# Altium PCB Holberton.PcbDoc (part 2 of 6) (continued)
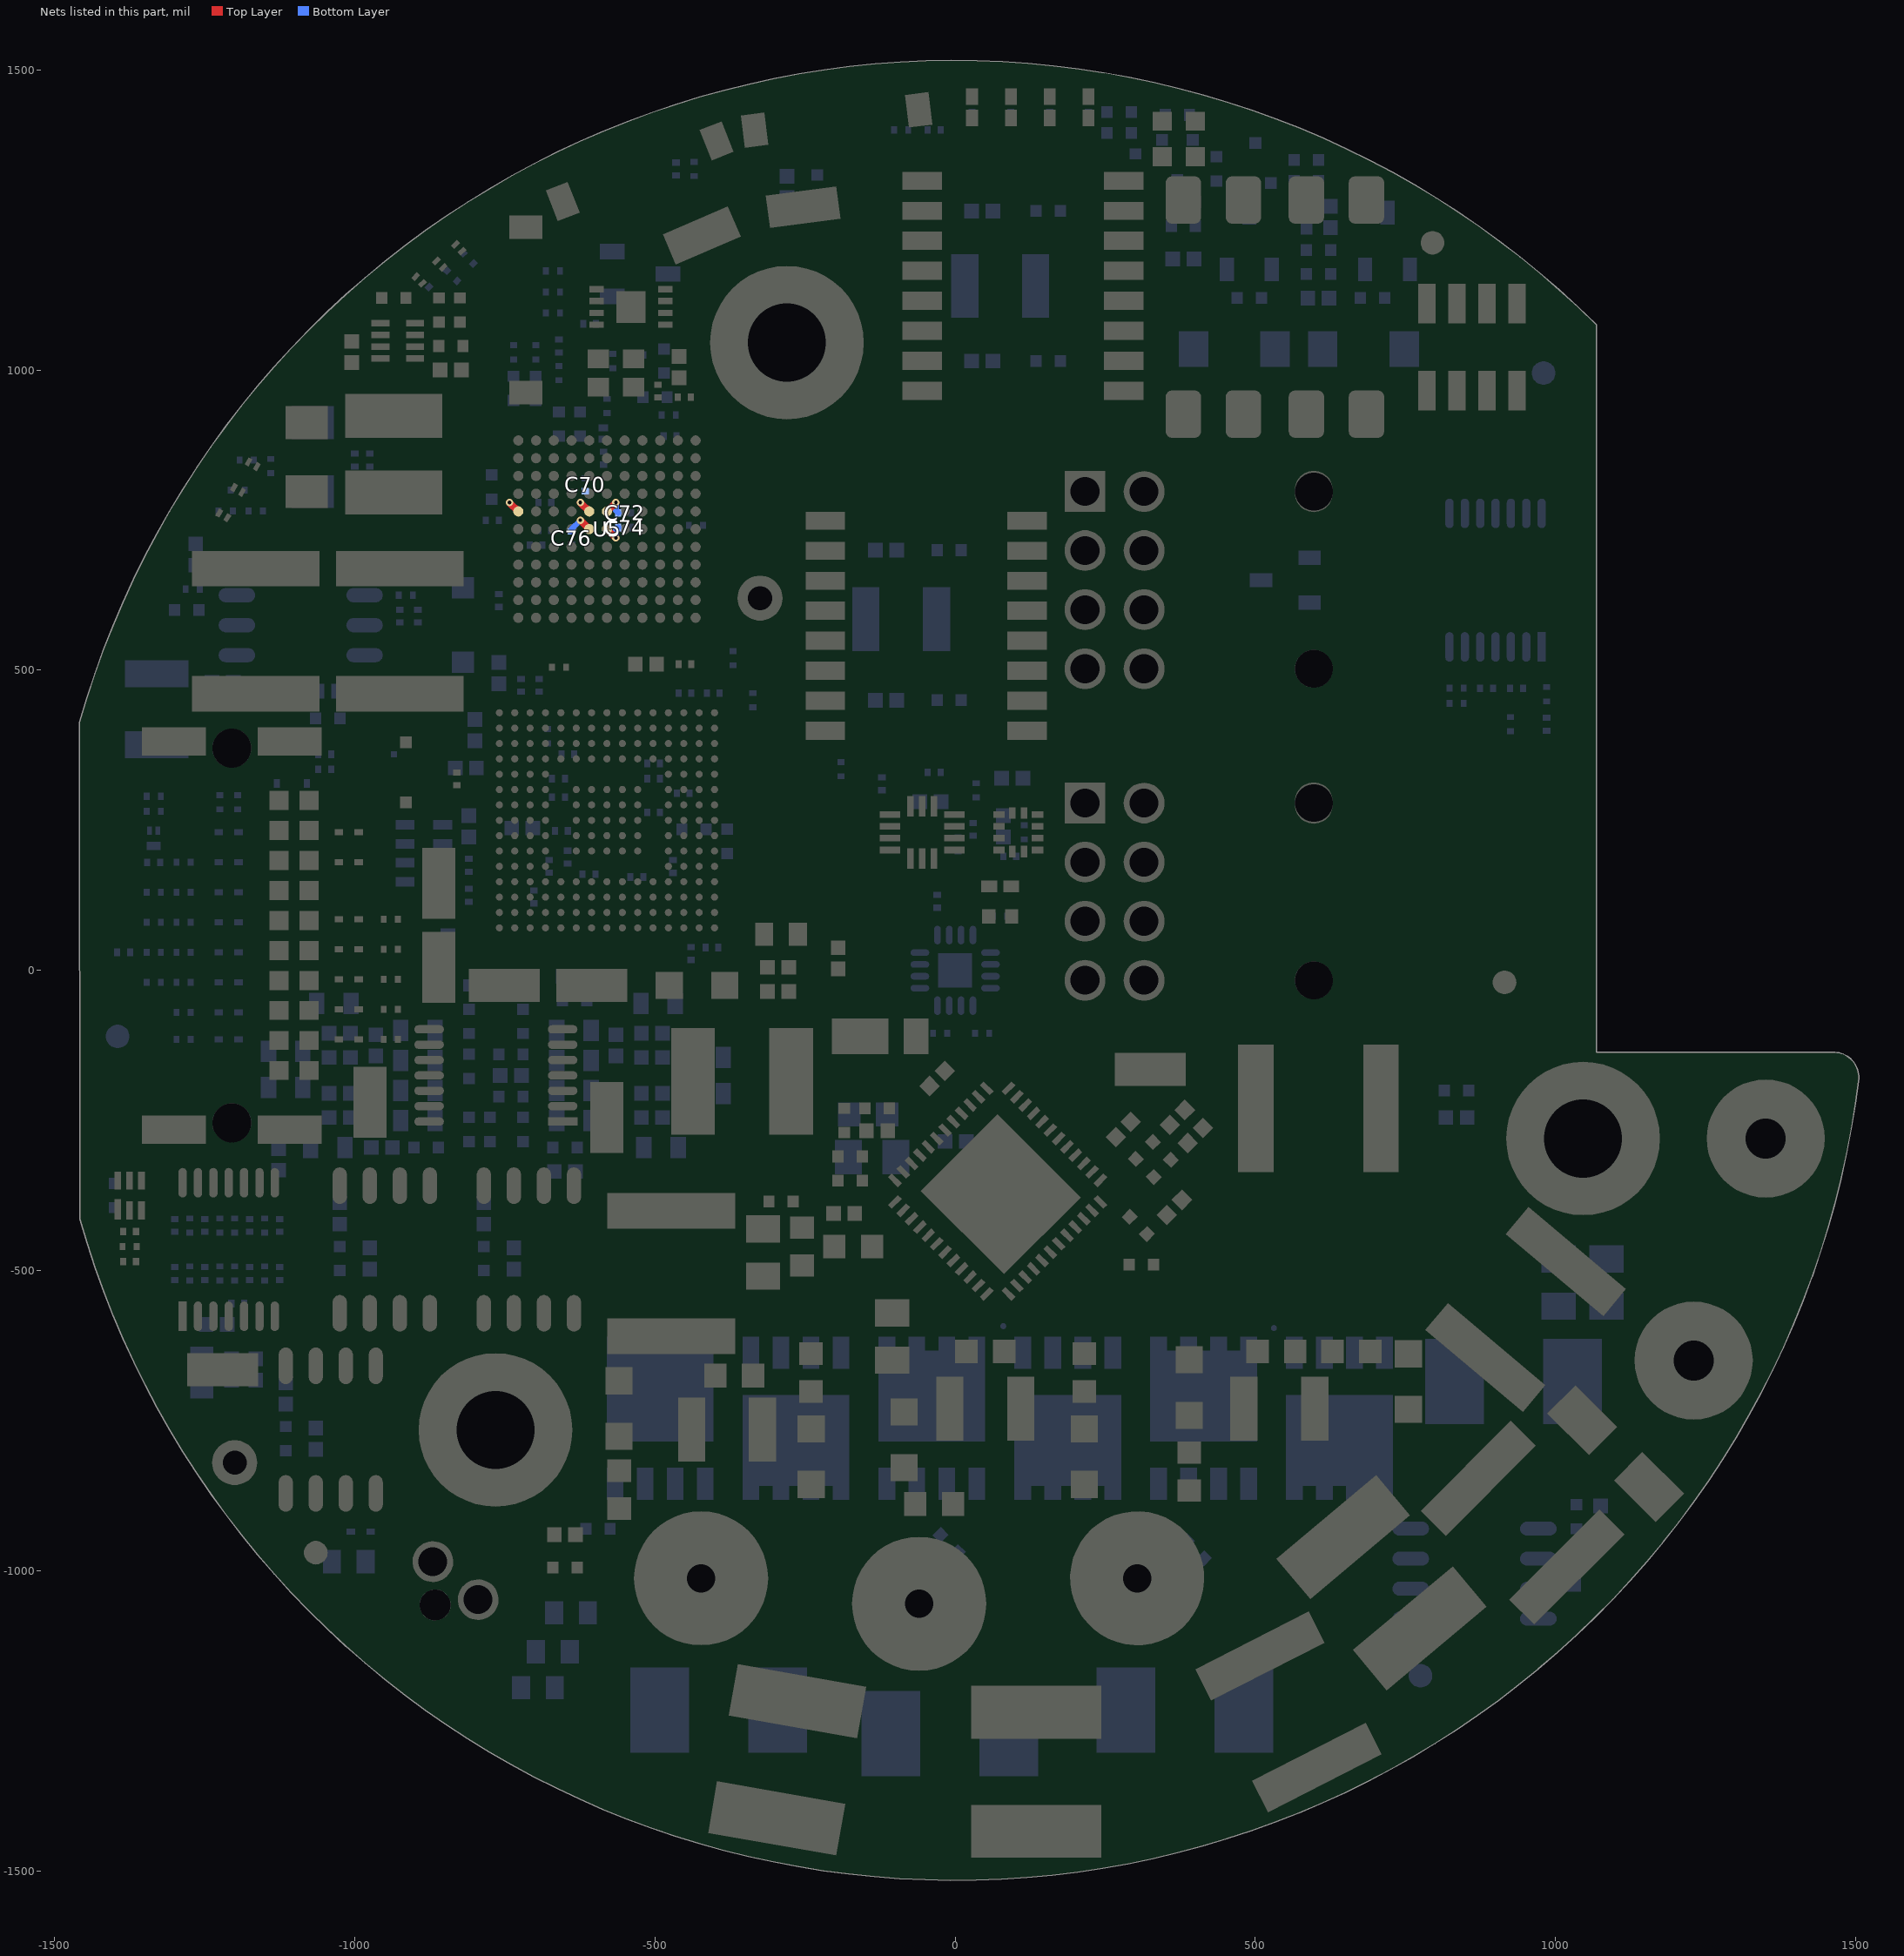
[diagram p6: the nets of this part, all layers, seen from the top]
## Part data (continued)
C35_PHA C35_PHB C35_PHC: library part C, "Multilayer Ceramic Capacitors MLCC - SMD/SMT 0603 2.2nF 100volts X7R 10%", Supplier Part Number 1=77-V0603Y222KXBAC31X, Voltage=100V, ComponentLink1URL=https://www.mouser.com/datasheet/2/427/vj31xrohsautomlcc-1763818.pdf, MFG="Vishay / Vitramon", MFG P/N=VJ0603Y222KXBAC31X, Supplier 1=Mouser
C37_PHA C37_PHB C37_PHC: library part CAP_CER_1210_4.7UF_100V_20%_X7S, "CAP CER 4.7UF 100V X7S 1210", Package=1210, Supplier Part Number 1=587-5040-1-ND, Voltage=100V, ComponentLink1URL=https://www.digikey.com/en/products/detail/taiyo-yuden/HMK325C7475MM-PE/6563633, MFG="Taiyo Yuden", MFG P/N=HMK325C7475MM-PE, Supplier 1=Digi-Key
C40 C44 C49: library part 207, "CAP CER 22UF 100V X7S SMD (6.00mm x 5.00mm x 5.5mm)", Supplier Part Number 1=445-10513-1-ND, Voltage=100V, ComponentLink1URL=https://www.mouser.com/ProductDetail/TDK/CKG57KX7S2A156M335JH?qs=xLDY6iXSiQZjzyWjP57ZVA%3D%3D, MFG=TDK, MFG P/N=CKG57NX7S2A226M500JJ, Status=Released, Supplier 1=Digi-Key
C41_PHA C41_PHB C41_PHC: library part C, "Multilayer Ceramic Capacitors MLCC - SMD/SMT 0603 1.0nF 100volts X7R 10%", Supplier Part Number 1=77-V0603Y102KXBAC31X, Voltage=100V, ComponentLink1URL=https://www.mouser.com/datasheet/2/427/vj31xrohsautomlcc-1763818.pdf, MFG="Vishay / Vitramon", MFG P/N=VJ0603Y102KXBAC31X, Supplier 1=Mouser
C57 C80: library part 6, "CAP, CER, X7S, 1000PF, 2KV, 10%, 1210", Package=1210, Supplier Part Number 1=445-13038-1-ND, Voltage=2KV, COMMON=150-01098-00, ComponentLink1URL=https://www.digikey.com/en/products/detail/tdk-corporation/CGA6M1X7S3D102K200AA/3950274, MFG=TDK, MFG P/N=CGA6M1X7S3D102K200AA, Status=Released, Supplier 1=Digi-Key
C59 C66 C69 C97 C121 C124: library part 361, "CAP, CER, X5R, 0.01uF, 16V, 10%, 0201, 0.33mm T", Package=0201, Supplier Part Number 1=490-7223-1-ND, Voltage=16V, COMMON=150-00126-00, ComponentLink1URL=https://www.digikey.com/en/products/detail/murata-electronics/GRM033R61C103KA12D/4213197, MFG=MURATA, MFG P/N=GRM033R61C103KA12D, Status=Released, Supplier 1=Digi-Key
C77: library part 838, "CAP, CER, X7R, 0.015uF, 25V, 10%, 0402, 0.56mm T", Package=0402, Supplier Part Number 1=490-3251-1-ND, Voltage=25V, COMMON=150-00741-00, ComponentLink1URL=https://www.digikey.com/en/products/detail/murata-electronics/GRM155R71E153KA61D/702516, MFG=MURATA, MFG P/N=GRM155R71E153KA61D, Status=NRND, Supplier 1=Digi-Key
C82: library part 343, "CAP, CER, X5R, 3300pF, 10V, 10%, 0201, 0.33mm T", Package=0201, Supplier Part Number 1=478-1045-1-ND, Voltage=10V, COMMON=150-00555-00, ComponentLink1URL=https://www.digikey.com/en/products/detail/kyocera-avx/0201ZD332KAT2A/563155, MFG=AVX, MFG P/N=0201ZD332KAT2A, Status=Released, Supplier 1=Digi-Key
C83: library part 589, "CAP, CER, NP0, 3.3pF, 50V, +/-0.25pF, 0201, 0.33mm T", Package=0201, Supplier Part Number 1=490-6128-1-ND, Voltage=50V, COMMON=150-00958-00, ComponentLink1URL=https://www.digikey.com/en/products/detail/murata-electronics/GRM0335C1H3R3CA01D/2542225, MFG=MURATA, MFG P/N=GRM0335C1H3R3CA01D, Status=Released, Supplier 1=Digi-Key
C85: library part 1813, "CAP, CER, X5R, 10uF, 50V, 20%, 1210", Package=1210, Supplier Part Number 1=587-2225-1-ND, Voltage=50V, ComponentLink1URL=https://media.digikey.com/pdf/Data%20Sheets/Taiyo%20Yuden%20PDFs%20URL%20links/UMK325BJ106MM-T_Spec.pdf, MFG="TAIYO YUDEN", MFG P/N=UMK325BJ106MM-T, Status=Released, Supplier 1=Digi-Key
C87 C128: library part 110, "CAP, CER, X5R, 2.2uF, 6.3V, 20%, 0201, 0.39mm T", Package=0201, Supplier Part Number 1=1276-6870-1-ND, Voltage=6.3V, COMMON=150-00421-00, ComponentLink1URL=https://www.digikey.com/en/products/detail/samsung-electro-mechanics/CL03A225MQ3CRNC/5961354, MFG=SAMSUNG, MFG P/N=CL03A225MQ3CRNC, Status=Released, Supplier 1=Digi-Key
C103: library part 1238, "CAP CER 0402 220NF 16VDC X7R", Package=0402, Supplier Part Number 1=399-C0402C224M4RAC7867CT-ND, Voltage=16V, ComponentLink1URL=https://www.digikey.com/en/products/detail/murata-electronics/GRM033R61C103KA12D/4213197, MFG=KEMET, MFG P/N=C0402C224M4RAC7867, Status=Released, Supplier 1=Digi-Key
C107 C131: library part 767, "CAP, CER, X7R, 100pF, 25V, 10%, 0201, 0.33mm T", Package=0201, Supplier Part Number 1=490-3172-1-ND, Voltage=25V, COMMON=150-00022-00, ComponentLink1URL=https://www.digikey.com/en/products/detail/murata-electronics/GRM033R71E101KA01D/702438, MFG=MURATA, MFG P/N=GRM033R71E101KA01D, Status=Released, Supplier 1=Digi-Key
C110: library part 50, "CAP, CER, X5R, 4.7uF, 20%, 6.3V, 0402, 0.65mm", Package=0402, Supplier Part Number 1=445-7395-1-ND, Voltage=6.3V, COMMON=150-00023-00, ComponentLink1URL=https://www.digikey.com/en/products/detail/tdk-corporation/C1005X5R0J475M050BC/2732830, MFG=TDK, MFG P/N=C1005X5R0J475M050BC, Status=Released, Supplier 1=Digi-Key
C134 C135 C136 C137 C138 C139 C141 C142 C143 C144 C147 C148: library part 1447, "CAP, CER, C0G, 47PF, 5%, 50V, 0402", Package=0402, Supplier Part Number 1=445-1243-1-ND, Voltage=50V, COMMON=150-00181-00, ComponentLink1URL=https://www.digikey.com/en/products/detail/tdk-corporation/C1005C0G1H470J050BA/513693, MFG=TDK, MFG P/N=C1005C0G1H470J050BA, Status=NRND, Supplier 1=Digi-Key
D1: library part 97055cde-46be-5a44-ad2e-f3c9fb2da68b, "LED, GREEN, 569nm, 30mA, CLEAR, 0603", Package="0603 (1608 Metric)", Supplier Part Number 1=160-1183-1-ND, ComponentLink1URL=http://media.digikey.com/pdf/Data%20Sheets/Lite-On%20PDFs/LTST-C190GKT.pdf, MFG="Lite-On Inc.", MFG P/N=LTST-C190GKT, Status=Released, Supplier 1=Digi-Key
D2: library part f11939b8-268a-575b-b7c2-77af98891583, "LED, BLUE, 470nm, 15mA, DIFFUSED, 0603", Package="0603 (1608 Metric)", Supplier Part Number 1=475-2815-1-ND, ComponentLink1URL=https://www.digikey.com/en/products/detail/osram-opto-ams-osram/LB-Q39E-N1OO-35-1/2176321, MFG="OSRAM Opto (ams OSRAM)", MFG P/N="LB Q39E-N1OO-35-1", Status=Released, Supplier 1=Digi-Key
D3 D4 D5 D6 D7 D8 D10 D14 D15 D16 D17 D18 D19 D20 D21 D22 D23 D24: library part 192, "TVS, DIODE, UNIDIR, 3.3VRWM, 4.8VBR, 7.8VCL, SOD-923", Package=SOD-923, Supplier Part Number 1=ESD9R3.3ST5GOSCT-ND, ComponentLink1URL=http://www.onsemi.com/pub/Collateral/ESD9R3.3S-D.PDF, MFG="ON Semiconductor", MFG P/N=ESD9R3.3ST5G, Status=Released, Supplier 1=Digi-Key
D9: library part 203, "DIODE, SCHOTTKY, 100V, 1A, POWERDI123", Package=POWERDI®123, Supplier Part Number 1=DFLR1400DICT-ND, ComponentLink1URL=https://www.digikey.com/en/products/detail/diodes-incorporated/DFLR1400-7/776775, MFG="Diodes Incorporated", MFG P/N=DFLR1400-7, Status=Released, Supplier 1=Digi-Key
D11: library part 200, "DIODE, TVS, UNI-DIR, 70VR, 100VCL, 400W, 140PF @1MHZ, SMA", Package=SMA, Supplier Part Number 1=SMAT70A-FDICT-ND, ComponentLink1URL=https://www.diodes.com/assets/Datasheets/ds30213.pdf, MFG="Diodes Incorporated", MFG P/N=SMAT70A-13-F, Status=Released, Supplier 1=Digi-Key
D12: library part 176, "DIODE, TVS, UNIDIR, DUAL, 24VRWM, 26VBR, 41VCL, SOT-23-3", Package="TO-236-3, SC-59, SOT-23-3", Supplier Part Number 1=ESD24VS2UE6327HTSA1CT-ND, ComponentLink1URL=https://www.infineon.com/dgdl/Infineon-ESD24VS2U-DS-v01_01-en.pdf?fileId=db3a3043340fff53013413a2249d2ff3, MFG="Infineon Technologies", MFG P/N=ESD24VS2UE6327HTSA1, Status=Released, Supplier 1=Digi-Key
D13: library part 290, "DIODE, SCHOTTKY, 30V VRRM, 1A IO, 12A SURGE, SOD-123", Package=SOD-123, Supplier Part Number 1=B130LAW-FDICT-ND, ComponentLink1URL=https://www.diodes.com/assets/Datasheets/ds30308.pdf, MFG="Diodes Incorporated", MFG P/N=B130LAW-7-F, Status=Released, Supplier 1=Digi-Key
FB1 FB4 FB6 FB7 FB8: library part f5bd4cf1-070f-4480-bf1a-f8cba0e78574, "FERRITE BEAD 220 OHM 0603 1LN", Package="Inductor, 0603", Supplier Part Number 1=240-2558-1-ND, ComponentLink1URL=https://media.digikey.com/pdf/Data%20Sheets/Laird%20Technologies/EMI_Filtering_and_RF_Inductors.pdf, MFG="Laird-Signal Integrity Products", MFG P/N=MI0603L221R-10, Status=Preliminary, Supplier 1=Digi-Key
FB2: library part 867, "FERRITE, BEAD, 600OHMS @100MHZ, 25%, 250mA, 900 mOHM DCR, 0201", Package="0201 (0603 Metric)", Supplier Part Number 1=490-5624-1-ND, ComponentLink1URL=https://www.murata.com/en-us/products/productdata/8796741140510/ENFA0020.pdf, MFG="Murata Electronics North America", MFG P/N=BLM03AX601SN1D, Status=Released, Supplier 1=Digi-Key
FB3: library part 937, "FERRITE, BEAD, 220 OHM, 150mA, DCR 0.25 MAX, 1206", Package=1206-Array, Supplier Part Number 1=490-9700-1-ND, ComponentLink1URL=https://www.murata.com/en-us/products/productdata/8796743204894/ENFA0008.pdf, MFG="Murata Electronics", MFG P/N=BLA31AG221SN4D, Status=Released, Supplier 1=Digi-Key
FB5: library part LAIRD_MI0603L221R-10, "FERRITE BEAD 220 OHM 0603 1LN", Package="Inductor, 0603", Supplier Part Number 1=240-2558-1-ND, ComponentLink1URL=https://media.digikey.com/pdf/Data%20Sheets/Laird%20Technologies/EMI_Filtering_and_RF_Inductors.pdf, MFG="Laird-Signal Integrity Products", MFG P/N=MI0603L221R-10, Status=Preliminary, Supplier 1=Digi-Key
FID1 FID2 FID3 FID4 FID5 FID6: library part 93, "FIDUCIAL 1MM COPPER CIRCLE 3MM MASK PULLBACK", MFG="_PCB Feature", Status="In Development"
J1: "CONN RCPT .05\" 8POS DUAL SMD", Supplier Part Number 1=SAM1226-04-ND, ComponentLink1URL=https://datasheet.ciiva.com/747/fle-1xx-xx-xx-dv-x-mkt1-747009.pdf?src-supplier=Digi-Key, MFG="Samtec Inc.", MFG P/N=FLE-104-01-G-DV, Supplier 1=Digi-Key
J2 J4: "CONN HEADER R/A 8POS 2.5MM", Supplier Part Number 1=WM15168-ND, ComponentLink1URL=https://www.digikey.com/en/products/detail/molex/1053141308/6164257, MFG=Molex, MFG P/N=1053141308, Supplier 1=Digi-Key
J3: library part 1204, "CONN HEADER SMD R/A 20POS 1.27MM", Supplier Part Number 1=952-3893-1-ND, ComponentLink1URL=https://www.digikey.com/en/products/detail/harwin-inc/M55-7102042R/8537613?s=N4IgTCBcDaILIFYEFoDsBGADGTAWMASiALoC%2BQA, MFG="Harwin Inc.", MFG P/N=M55-7102042R, Status=Released, Supplier 1=Digi-Key
J5: library part "Molex 1053092302", "CONN HEADER VERT 2POS 2.5MM", Supplier Part Number 1=WM15050-ND, ComponentLink1URL=https://www.digikey.com/en/products/detail/molex/1053092302/6164139, DNI=DNI, MFG=Molex, MFG P/N=1053092302, Supplier 1=Digi-Key
L1: library part BOURNS_SRR1050A-180Y, "FIXED IND 4.7UH 3.9A 44MOHM SMD", Supplier Part Number 1=732-11742-1-ND, ComponentLink1URL=https://www.bourns.com/docs/Product-Datasheets/SRR1050A.pdf?src-supplier=Digi-Key, MFG="Würth Elektronik", MFG P/N=78438357047, Supplier 1=Digi-Key
L2: library part 939, "IND, WIREWOUND, SHIELDED, 2.2uH, 2.1A, 20%, DCR 0.11, SMD, AUTOGRADE", Package="2 - pin SMD", Supplier Part Number 1=2457-LPS3015-222MR_TR-ND, ComponentLink1URL=https://www.coilcraft.com/getmedia/5d262731-85ef-4348-8ab4-1044b4fc3cb8/lps3015.pdf, MFG=COILCRAFT, MFG P/N=LPS3015-222MR_, Status=Released, Supplier 1=Digi-Key
L3: library part 938, "220 µH Semi-Shielded Drum Core, Wirewound Inductor 500 mA 1.4Ohm Nonstandard", Package="2 - pin SMD", Supplier Part Number 1=732-11722-1-ND, ComponentLink1URL=https://www.coilcraft.com/en-us/products/power/shielded-inductors/ferrite-drum/mss-mos/mss7348/#, MFG="Würth Elektronik", MFG P/N=74404054221, Status=Released, Supplier 1=Digi-Key
L4: "COILCRAFT   LPS3015-473MRB   INDUCTOR, SHLD, 47UH, 20%, 0.3A, SMD", Supplier Part Number 1=994-XFL3012-473MEC, ComponentLink1URL=https://www.mouser.com/ProductDetail/Coilcraft/XFL3012-473MEC?qs=zCSbvcPd3pb%2FTL0aawZbwA%3D%3D, MFG=Coilcraft, MFG P/N=XFL3012-473MEC, Supplier 1=Mouser
LED1 LED2 LED3: library part 306, "LED, GREEN, 574nm, 2mA, CLEAR, 0402", Package=0402, Supplier Part Number 1=754-2121-1-ND, ComponentLink1URL=http://www.kingbrightusa.com/images/catalog/SPEC/APHHS1005LCGCK.pdf, MFG=Kingbright, MFG P/N=APHHS1005LCGCK, Status=Released, Supplier 1=Digi-Key
LED4: library part 309, "LED, RED, 640NM, 2mA, CLEAR, 0402", Package=0402, Supplier Part Number 1=754-2123-1-ND, ComponentLink1URL=http://www.kingbrightusa.com/images/catalog/SPEC/APHHS1005LSECK-J3-PF.pdf, MFG=Kingbright, MFG P/N=APHHS1005LSECK/J3-PF, Status=Released, Supplier 1=Digi-Key
LED5 LED6 LED8 LED9: library part 308, "LED, ORANGE, 611NM, 10mA, CLEAR, 0201", Package=0201, Supplier Part Number 1=754-2027-1-ND, ComponentLink1URL=http://www.kingbrightusa.com/images/catalog/SPEC/APG0603SEC-TT.pdf, MFG=Kingbright, MFG P/N=APG0603SEC-TT, Status=Released, Supplier 1=Digi-Key
LED7 LED10: library part 307, "LED, YELLOW, 591NM, 10mA, CLEAR, 0201", Package=0201, Supplier Part Number 1=754-2025-1-ND, ComponentLink1URL=http://www.kingbrightusa.com/images/catalog/SPEC/APG0603SYC-TT.pdf, MFG=Kingbright, MFG P/N=APG0603SYC-TT, Status=Released, Supplier 1=Digi-Key
LED11: "LED RED CLEAR CHIP SMD", Package=0402, Supplier Part Number 1=754-1104-1-ND, ComponentLink1URL=http://www.kingbrightusa.com/images/catalog/SPEC/APG0603SYC-TT.pdf, MFG=Kingbright, MFG P/N=APHHS1005SURCK, Status=Released, Supplier 1=Digi-Key
LED12: "LED ORANGE CLEAR 1006 SMD", Package=0402, Supplier Part Number 1=SML-P11DTT86RCT-ND, ComponentLink1URL=http://www.kingbrightusa.com/images/catalog/SPEC/APG0603SYC-TT.pdf, MFG="Rohm Semiconductor", MFG P/N=SML-P11DTT86R, Status=Released, Supplier 1=Digi-Key
M1 M3 M5: library part MtgHole
M2 M4: library part MtgHole_1
M6 M7 M8: library part MtgHole_1, "Motor lead attachement points Keystone_8737", Supplier Part Number 1=36-8737-ND, MFG="Keystone Electronics", MFG P/N=8737, Supplier 1=Digi-Key
NT1: library part 158, "Net Ties, 0402", MFG="_PCB Feature", Status=Released
NT3_PHA NT3_PHB NT3_PHC: library part 5ac3c692-7d27-4cd1-ace3-d4aa111a5a9d, "Net Tie, 10mil trace", Package="Net Tie, 10mil trace", Status=Preliminary
Q1 Q2: library part 171, "MOSFET, PWR, P-CH, 45VDS, 1A ID, 460mOhm@ 1A, SMD-3", Package=TUMT3, Supplier Part Number 1=RSF010P05TLCT-ND, ComponentLink1URL=https://d1d2qsbl8m0m72.cloudfront.net/en/products/databook/datasheet/discrete/transistor/mosfet/rsf010p05tl-e.pdf, MFG="Rohm Semiconductor", MFG P/N=RSF010P05TL, Status=Released, Supplier 1=Digi-Key
Q3 Q4: library part ed20cc43-0059-5b34-85f4-540c7b2cf9db, "XSTR, MOSFET, ENHANCEMENT MODE, N-CH, 100V, 0.17A, SOT23-3", Package=SOT-23, Supplier Part Number 1=BSS119NH6327XTSA1CT-ND, ComponentLink1URL=https://www.digikey.com/en/products/detail/infineon-technologies/BSS119NH6327XTSA1/5409997, MFG=onsemi, MFG P/N=BSS119NH6327XTSA1, Status=Released, Supplier 1=Digi-Key
Q5: library part 24, "MOSFET, N-CH, 30V, 0.55A, DMN3900", Package=3-XFDFN, Supplier Part Number 1=DMN3900UFA-7BCT-ND, COMMON=480-00750-00, ComponentLink1URL=http://www.diodes.com/datasheets/DMN3900UFA.pdf, MFG="Diodes Incorporated", MFG P/N=DMN3900UFA-7B, Status=Released, Supplier 1=Digi-Key
Q6: library part "BJT NPN_GP", "TRANS NPN 40V 0.2A SOT23-3", Package=SOT23-3, Supplier Part Number 1=2368-MMBT3904-ND, ComponentLink1URL=https://www.digikey.com/en/products/detail/nte-electronics-inc/MMBT3904/11649623, MFG="NTE Electronics, Inc", MFG P/N=MMBT3904, Status=Preliminary, Supplier 1=Digi-Key
Q8_PHA Q8_PHB Q8_PHC Q11_PHA Q11_PHB Q11_PHC: library part be020311-d2d7-4d79-a360-c856c6f37d83, "MOSFET N-CH 100V 100A 8SON", Package="8-PowerTDFN SON5x6", Supplier Part Number 1=296-44471-1-ND, ComponentLink1URL=https://www.digikey.com/en/products/detail/texas-instruments/CSD19532Q5BT/6110536?s=N4IgjCBcpgbFoDGUBmBDANgZwKYBoQB7KAbRACYBOAFgA4AGeAXQIAcAXKEAZXYCcAlgDsA5iAC%2BBWJQQhkkdNnxFSIavUoBmLSBYgOXXoNESCAVgDs9WfMW4CxSGU0Wr1GXoOQe-YWMkgsIw2qJj2Kk4gLrSUsbpsnN5GfqaB9LQhCmHKjmSwtGYaIFIFYNaeiT7G-gRg5Jrw0HKhSg6qYBaaZRAVhr4mAeSMGU222W2RZfQABABq8fqVAKpCAuwA8igAsjhoWACufDipALTkmfz7OapmuuL3QA, MFG="Texas Instruments", MFG P/N=CSD19532Q5BT, Status=Preliminary, Supplier 1=Digi-Key
R1 R4 R12 R22 R24 R25 R63 R64 R69 R86 R163: library part 8004, "RES, 0, JUMPER, 1/16W, 0402", Package=0402, Supplier Part Number 1=311-0.0LRCT-ND, COMMON=470-02332-00, ComponentLink1URL=https://www.digikey.com/en/products/detail/yageo/RC0402FR-070RL/2827570, MFG=YAGEO, MFG P/N=RC0402FR-070RL, Status=Released, Supplier 1=Digi-Key
  R1 R24: DNI=DNI
R2 R18 R34 R37 R38 R44 R54 R55 R117 R118 R127 R128 R136 R139 R140 R141: library part 7216, "RES, 10K, 1%, 1/10W, 0402, AUTOGRADE", Package=0402, Supplier Part Number 1=P10.0KLCT-ND, COMMON=470-00319-00, ComponentLink1URL=https://www.digikey.com/en/products/detail/panasonic-electronic-components/ERJ-2RKF1002X/192073, MFG=PANASONIC, MFG P/N=ERJ2RKF1002X, Status=Released, Supplier 1=Digi-Key
R3: library part 4161, "RES 31.2K OHM 1% 1/16W 0402", Package=0402, Supplier Part Number 1=2019-RN73H1ETTP3122F25CT-ND, ComponentLink1URL=https://www.digikey.com/en/products/detail/yageo/RC0201FR-0710K2L/1948867, MFG="KOA Speer Electronics, Inc.", MFG P/N=RN73H1ETTP3122F25, Status=Released, Supplier 1=Digi-Key
R5 R20 R27 R66 R67 R71 R77 R80 R81 R82 R83 R85 R87 R88 R89 R91 R92 R95 R96 R99 R103 R106 R111 R122 R123 R147 R148 R149 R150 R153 R154 R155 R156: library part 6783, "RES, 10K, 1%, 1/20W, 0201, AUTOGRADE", Package=0201, Supplier Part Number 1=P122414CT-ND, COMMON=470-00033-00, ComponentLink1URL=https://industrial.panasonic.com/cdbs/www-data/pdf/RDA0000/AOA0000C304.pdf, MFG=PANASONIC, MFG P/N=ERJ1GNF1002C, Status=Released, Supplier 1=Digi-Key
R6 R7 R9 R10 R11 R35 R62 R93 R94 R100 R102 R105 R108 R110 R119 R124: library part 10012, "RES, 22.1, 1%, 1/20W, 0201, AUTOGRADE", Package=0201, Supplier Part Number 1=P122844CT-ND, ComponentLink1URL=https://industrial.panasonic.com/cdbs/www-data/pdf/RDA0000/AOA0000C304.pdf, MFG="Panasonic Electronic Components", MFG P/N=ERJ-1GNF22R1C, Status=Released, Supplier 1=Digi-Key
  R10: DNI=DNI
R8: library part 8516, "RES, 1.3, 1%, 1/2W, AUTOGRADE, 0805", Package=0805, Supplier Part Number 1=P19271CT-ND, ComponentLink1URL=https://industrial.panasonic.com/cdbs/www-data/pdf/RDN0000/AOA0000C313.pdf, MFG="Panasonic Electronic Components", MFG P/N=ERJ-6DQF1R3V, Status=Released, Supplier 1=Digi-Key
R13: library part 5074, "RES, 133K, 1%, 1/16W, 0402, AUTOGRADE", Package=0402, Supplier Part Number 1=541-133KLCT-ND, COMMON=470-02579-00, ComponentLink1URL=https://www.digikey.com/en/products/detail/vishay-dale/CRCW0402133KFKED/1178248, MFG=VISHAY, MFG P/N=CRCW0402133KFKED, Status=Released, Supplier 1=Digi-Key
R14 R15 R19 R112 R116 R144 R145 R151 R152 R158 R159: library part 7286, "RES, 100, 1%, 1/10W, 0402, AUTO GRADE", Package=0402, Supplier Part Number 1=P100LCT-ND, COMMON=470-00294-00, ComponentLink1URL=https://www.digikey.com/en/products/detail/panasonic-electronic-components/ERJ-2RKF1000X/192080, MFG=PANASONIC, MFG P/N=ERJ2RKF1000X, Status=Released, Supplier 1=Digi-Key
R16 R43 R47: library part 8801, "RES, 432K, 1%, 1/16W, 0402", Package=0402, Supplier Part Number 1=541-432KLCT-ND, ComponentLink1URL=http://www.vishay.com/docs/28773/crcwce3.pdf, MFG=VISHAY, MFG P/N=CRCW0402432KFKED, Status=Released, Supplier 1=Digi-Key
R17: library part 8684, "RES, 1.15K, 1%, 1/16W, 0402", Package=0402, Supplier Part Number 1=541-1.15KLCT-ND, ComponentLink1URL=http://www.vishay.com/docs/28773/crcwce3.pdf, MFG=VISHAY, MFG P/N=CRCW04021K15FKED, Status=Released, Supplier 1=Digi-Key
R21 RT1 RT2 RT3: library part 175, "SENSOR, THERMISTOR, NTC, 10K, 1%, 3380K, 100mW, 0402", Package=0402, Supplier Part Number 1=490-4801-1-ND, ComponentLink1URL=https://www.murata.com/en-us/api/pdfdownloadapi?cate=&partno=NCP15XH103F03RC, MFG="Murata Electronics", MFG P/N=NCP15XH103F03RC, Status=Released, Supplier 1=Digi-Key
R23_PHA R23_PHB R23_PHC: library part R, "RES SMD 3.9 OHM 5% 1/2W 0805", Package=0805, Supplier Part Number 1=10-ERJ-HP6F3R90VCT-ND, ComponentLink1URL=https://www.digikey.com/en/products/detail/panasonic-electronic-components/ERJ-HP6F3R90V/13877855, MFG="Panasonic Electronic Components", MFG P/N=ERJ-HP6F3R90V, Supplier 1=Digi-Key
R26_PHA R26_PHB R26_PHC: library part R, "RES SMD 2.2 OHM 1% 1/2W 0805", Supplier Part Number 1=541-2.20TCT-ND, ComponentLink1URL=https://www.digikey.com/en/products/detail/vishay-dale/CRCW08052R20FKEAHP/2226670, DNI=DNI, MFG="Vishay Dale", MFG P/N=CRCW08052R20FKEAHP, Supplier 1=Digi-Key
R28 R41 R135: library part 5492, "RES, 432K, 1%, 1/16W, 0402", Package=0402, Supplier Part Number 1=541-432KLCT-ND, ComponentLink1URL=http://www.vishay.com/docs/28773/crcwce3.pdf, MFG=VISHAY, MFG P/N=CRCW0402432KFKED, Status=Released, Supplier 1=Digi-Key
R29 R30 R31 R32 R48 R49 R50 R52 R53 R56 R70: library part 10010, "RES, 1K, 1%, 1/20W, 0201, AUTOGRADE", Package=0201, Supplier Part Number 1=118-CR0201AFW-1001GLFCT-ND, ComponentLink1URL=https://www.bourns.com/docs/product-datasheets/crxxxxa.pdf, MFG="Bourns Inc.", MFG P/N=CR0201AFW-1001GLF, Status=Released, Supplier 1=Digi-Key
R33: library part 07680e2d-088d-5a06-a7a1-fe9cd6488fb2, "Res, 82k, +/-1%, 0.1W, 0402, AUTO GRADE", Package=0402, Supplier Part Number 1=P82.0KLCT-ND, ComponentLink1URL=http://industrial.panasonic.com/cdbs/www-data/pdf/RDA0000/AOA0000C304.pdf, MFG="Panasonic Electronic Components", MFG P/N=ERJ-2RKF8202X, Status=Preliminary, Supplier 1=Digi-Key
R36: library part 78eec7e5-34dd-5b0c-8bd5-fdbc658ba047, "Res, 18.2k, +/-1%, 0.1W, 0402, AUTO GRADE", Package=0402, Supplier Part Number 1=P18.2KLCT-ND, ComponentLink1URL=http://industrial.panasonic.com/cdbs/www-data/pdf/RDA0000/AOA0000C304.pdf, MFG="Panasonic Electronic Components", MFG P/N=ERJ-2RKF1822X, Status=Preliminary, Supplier 1=Digi-Key
R39: library part 9146, "RES, 6.19K, 1%, 1/16W, 0402", Package=0402, Supplier Part Number 1=311-6.19KLRCT-ND, ComponentLink1URL=http://www.yageo.com/documents/recent/PYu-RC_Group_51_RoHS_L_10.pdf, MFG=Yageo, MFG P/N=RC0402FR-076K19L, Status=Released, Supplier 1=Digi-Key
R40 R72: library part 10012, "RES, 300, 1%, 1/20W, 0201, AUTOGRADE", Package=0201, Supplier Part Number 1=P122911CT-ND, ComponentLink1URL=https://www.digikey.com/en/products/detail/panasonic-electronic-components/ERJ-1GNF3000C/2036050, MFG="Panasonic Electronic Components", MFG P/N=ERJ-1GNF3000C, Status=Released, Supplier 1=Digi-Key
R42: library part 8099, "RES, 56K, 1%, 1/16W, 0402", Package=0402, Supplier Part Number 1=541-56.0KLCT-ND, COMMON=470-02723-00, ComponentLink1URL=https://www.digikey.com/en/products/detail/vishay-dale/CRCW040256K0FKED/1178206, MFG=VISHAY, MFG P/N=CRCW040256K0FKED, Status=Released, Supplier 1=Digi-Key
R45 R61 R74 R84: library part 2283, "RES, 75, 1%, 1/16W, 0402", Package=0402, Supplier Part Number 1=311-75.0LRCT-ND, COMMON=470-00607-00, ComponentLink1URL=https://www.digikey.com/en/products/detail/yageo/RC0402FR-0775RL/726658, MFG=YAGEO, MFG P/N=RC0402FR-0775RL, Status=Released, Supplier 1=Digi-Key
R46 R51: library part 4849, "RES, 68.1K, 1%, 1/16W, 0402", Package=0402, Supplier Part Number 1=RMCF0402FT68K1CT-ND, ComponentLink1URL=https://www.digikey.com/en/products/detail/stackpole-electronics-inc/RMCF0402FT68K1/1761637, MFG="Stackpole Electronics Inc", MFG P/N=RMCF0402FT68K1, Status=Released, Supplier 1=Digi-Key
R57 R58: library part 3733, "RES 8.2K OHM 1% 1/4W 1206", Package=1206, Supplier Part Number 1=RMCF1206FT8K20CT-ND, ComponentLink1URL=https://www.digikey.com/en/products/detail/stackpole-electronics-inc/RMCF1206FT3K30/1753917, MFG="STACKPOLE ELECTRONICS", MFG P/N=RMCF1206FT8K20, Status=Released, Supplier 1=Digi-Key
R59 R60: library part 3569, "Resistor, 2.20K Ohms, 0201, 0.05W, ±1%", Package=0201, Supplier Part Number 1=P122832CT-ND, ComponentLink1URL=https://www.digikey.com/en/products/detail/panasonic-electronic-components/ERJ-1GNF2201C/8342603, MFG=PANASONIC, MFG P/N=ERJ-1GNF2201C, Status=Released, Supplier 1=Digi-Key
R65: library part 7413, "RES, 1.0, 5%, 1/20W, 0201", Package=0201, Supplier Part Number 1=P123262CT-ND, ComponentLink1URL=https://www.digikey.com/en/products/detail/panasonic-electronic-components/ERJ-1GNJ1R0C/2035715, MFG=PANASONIC, MFG P/N=ERJ-1GNJ1R0C, Status=released, Supplier 1=Digi-Key
R68: library part 10010, "RES, 300, 1%, 1/20W, 0201, AUTOGRADE", Package=0201, Supplier Part Number 1=P122911CT-ND, ComponentLink1URL=https://www.digikey.com/en/products/detail/panasonic-electronic-components/ERJ-1GNF3000C/2036050, MFG="Panasonic Electronic Components", MFG P/N=ERJ-1GNF3000C, Status=Released, Supplier 1=Digi-Key
R73: library part 10025, "RES, 4.7K, 1%, 1/20W, 0201, AUTOGRADE", Package=0201, Supplier Part Number 1=P123031CT-ND, ComponentLink1URL=https://industrial.panasonic.com/cdbs/www-data/pdf/RDA0000/AOA0000C304.pdf, MFG="Panasonic Electronic Components", MFG P/N=ERJ-1GNF4701C, Status=Released, Supplier 1=Digi-Key
R75: library part 4161, "Resistor, 10.2K Ohms, 0201, 0.05W, ±1%", Package=0201, Supplier Part Number 1=311-10.2KMCT-ND, COMMON=470-07513-00, ComponentLink1URL=https://www.digikey.com/en/products/detail/yageo/RC0201FR-0710K2L/1948867, MFG=YAGEO, MFG P/N=RC0201FR-0710K2L, Status=Released, Supplier 1=Digi-Key
R76: library part 6790, "RES, 1.96K, 1%, 1/20W, 0201", Package=0201, Supplier Part Number 1=P1.96KABCT-ND, COMMON=470-00892-00, ComponentLink1URL=https://www.digikey.com/en/products/detail/panasonic-electronic-components/ERJ-1GEF1961C/1467048, MFG=PANASONIC, MFG P/N=ERJ1GEF1961C, Status=NRND, Supplier 1=Digi-Key
R78: library part 4926, "Resistor, 86.6K Ohms, 0201, 0.05W, ±1%", Package=0201, Supplier Part Number 1=P123186CT-ND, ComponentLink1URL=https://www.digikey.com/en/products/detail/panasonic-electronic-components/ERJ-1GNF8662C/8343311, MFG=PANASONIC, MFG P/N=ERJ-1GNF8662C, Status=Released, Supplier 1=Digi-Key
R79: library part 10007, "RES, 68.1K, 1%, 1/16W, 0402", Package=0402, Supplier Part Number 1=RMCF0402FT68K1CT-ND, ComponentLink1URL=https://www.digikey.com/en/products/detail/stackpole-electronics-inc/RMCF0402FT68K1/1761637, MFG="Stackpole Electronics Inc", MFG P/N=RMCF0402FT68K1, Status=Released, Supplier 1=Digi-Key
R97 R98: library part 3, "RES, 0, JUMPER, 1/16W, 0402", Package=0402, Supplier Part Number 1=311-0.0LRCT-ND, COMMON=470-02332-00, ComponentLink1URL=https://www.digikey.com/en/products/detail/yageo/RC0402FR-070RL/2827570, MFG=YAGEO, MFG P/N=RC0402FR-070RL, Status=NRND, Supplier 1=Digi-Key
  R98: DNI=DNI
R101 R104: library part 10010, "RES, 200, 1%, 1/20W, 0201, AUTOGRADE", Package=0201, Supplier Part Number 1=P122416CT-ND, ComponentLink1URL=https://www.bourns.com/docs/product-datasheets/crxxxxa.pdf, MFG="Panasonic Electronic Components", MFG P/N=ERJ-1GNF2000C, Status=Released, Supplier 1=Digi-Key
R109: library part 10014, "RES, 68, 1%, 1/20W, 0201, AUTOGRADE", Package=0201, Supplier Part Number 1=P123132CT-ND, ComponentLink1URL=https://industrial.panasonic.com/cdbs/www-data/pdf/RDA0000/AOA0000C304.pdf, MFG="Panasonic Electronic Components", MFG P/N=ERJ-1GNF68R0C, Status=Released, Supplier 1=Digi-Key
R114 R115 R120 R121 R125 R126 R129 R130 R131 R132 R133 R134 R137 R138 R142 R143: library part 6516, "RES, 100K, 1%, 1/10W, 0603, AUTO GRADE", Package=0603, Supplier Part Number 1=P100KHCT-ND, COMMON=470-00120-00, ComponentLink1URL=https://www.digikey.com/en/products/detail/panasonic-electronic-components/ERJ-3EKF1003V/196075, MFG=PANASONIC, MFG P/N=ERJ3EKF1003V, Status=Released, Supplier 1=Digi-Key
R146: library part CMP-2002-08122-2, "RES, 0, JUMPER, 1/16W, 0402", Package=0402, Supplier Part Number 1=311-0.0LRCT-ND, COMMON=470-02332-00, ComponentLink1URL=https://www.digikey.com/en/products/detail/yageo/RC0402FR-070RL/2827570, DNI=DNI, MFG=YAGEO, MFG P/N=RC0402FR-070RL, Status=Released, Supplier 1=Digi-Key
R157 R160 R161 R162: library part 9999, "RES, 0.0015, 1%, 3W, 2512", Package=2512, Supplier Part Number 1=A131795CT-ND, ComponentLink1URL=https://www.te.com/commerce/DocumentDelivery/DDEController?Action=srchrtrv&DocNm=1773449-3&DocType=DS&DocLang=English, MFG="TE Connectivity Passive Product", MFG P/N=TLR3A30DR0015FTDG, Status=Released, Supplier 1=Digi-Key
SW1 SW2 SW3: library part SW_2P-KSR253GLFG, "SWITCH TACTILE SPST-NO 0.01A 32V", Supplier Part Number 1=401-1708-1-ND, ComponentLink1URL=https://www.digikey.com/en/products/detail/c-k/KSR253GLFG/958074?s=N4IgTCBcDaINIGUBKYCsBmA4gGQGKZAF0BfIA, MFG=C&K, MFG P/N=KSR253GLFG, Supplier 1=Digi-Key
T1 T2: "Telecom Transformer 2(1:1) 0.65Ohm Prim. DCR 0.65Ohm Sec. DCR 16 Terminal Gull Wing SMD", Supplier Part Number 1=553-1323-5-ND, ComponentLink1URL=https://datasheet.ciiva.com/2938/10-100base-tsingleportsmdmagnetics-rev2008-2938779.pdf?src-supplier=Digi-Key, MFG="Pulse Electronics", MFG P/N=H1102NL, Supplier 1=Digi-Key
TP1 TP2: library part 176, "PC TEST POINT MINIATURE SMT", Supplier Part Number 1=36-5015CT-ND, COMMON=250-00207-00, ComponentLink1URL=http://mail.keyelco.com/ENG._DEPT/PDF%20CAT%20NO%20Drawings/5015.pdf, MFG="Keystone Electronics", MFG P/N=5015, Status="In Development", Supplier 1=Digi-Key
TP3 TP12: "PC TEST POINT TH RING", Supplier Part Number 1=5001K-ND, ComponentLink1URL=http://www.keyelco.com/product-pdf.cfm?p=1310, MFG="Keystone Electronics", MFG P/N=5001, Status="In Development", Supplier 1=Digi-Key
TP4 TP5 TP6 TP7 TP8 TP9 TP10 TP11: "PC TEST POINT MINIATURE SMT", Supplier Part Number 1=36-5015CT-ND, COMMON=250-00207-00, ComponentLink1URL=http://mail.keyelco.com/ENG._DEPT/PDF%20CAT%20NO%20Drawings/5015.pdf, MFG="Keystone Electronics", MFG P/N=5015, Status="In Development", Supplier 1=Digi-Key
U1 U2: library part 276, "ISOLATOR, OPTOISOLATOR, PHOTO TRANSISTOR, 70V, 50mA, SMD-4", Package=4-SMD, Supplier Part Number 1=516-3136-1-ND, ComponentLink1URL=https://docs.broadcom.com/doc/AV02-0265EN, MFG="Broadcom Limited", MFG P/N=HCPL-817-56CE, Status=Released, Supplier 1=Digi-Key
U3: library part 423, "IC, MEMORY, M24256, EEPROM, 256Kb, I2C, 1MHz, MLP-8, AUTOGRADE", Package=8-WFDFN, Supplier Part Number 1=497-15355-6-ND, ComponentLink1URL=https://www.st.com/content/ccc/resource/technical/document/datasheet/a7/9b/dd/87/57/59/41/8c/DM00061669.pdf/files/DM00061669.pdf/jcr:content/translations/en.DM00061669.pdf, MFG=STMicroelectronics, MFG P/N=M24256-DRMF3TG/K, Status=Released, Supplier 1=Digi-Key
U4: library part TI_TPS62933PDRLR, "IC REG BUCK ADJUSTABLE 3A SOT583", Supplier Part Number 1=296-TPS62933PDRLRCT-ND, ComponentLink1URL=https://datasheet.ciiva.com/2034/tps54331-2034843.pdf?src-supplier=Digi-Key, MFG="Texas Instruments", MFG P/N=TPS62933PDRLR, Supplier 1=Digi-Key
U5: library part 113, "IC, CONTROLLER, TMC8462, ETHERNET, 100Mb, SPI, PWM O/P, 100mA, BGA-121", Package="121-BGA (9x9)", Supplier Part Number 1=1460-1258-ND, ComponentLink1URL=https://www.trinamic.com/products/integrated-circuits/details/tmc8462-ba/, MFG="Trinamic Motion Control GmbH", MFG P/N=TMC8462-BA, Status=Released, Supplier 1=Digi-Key
U6: library part 112, "IC, MCU, STM32H755xI, ARM, 32-BIT, 240MHZ, 128 I/O, 2MB, FLASH, 1.62V TO 3.6V, UFBGA-201", Package="176+25UFBGA (10x10)", Supplier Part Number 1=497-STM32H755IIK3-ND, ComponentLink1URL=https://www.st.com/resource/en/datasheet/stm32h755ii.pdf, MFG=STMicroelectronics, MFG P/N=STM32H755IIK3, Status=Released, Supplier 1=Digi-Key
U8: library part LSM6DSOTR, "Accelerometer, Gyroscope, 6 Axis Sensor I²C, SPI Output", Package=14-LGA, Supplier Part Number 1=497-18181-1-ND, ComponentLink1URL=https://www.st.com/content/ccc/resource/technical/document/datasheet/1e/3f/2a/d6/25/eb/48/46/DM00103319.pdf/files/DM00103319.pdf/jcr:content/translations/en.DM00103319.pdf, MFG=STMicroelectronics, MFG P/N=LSM6DSOTR, Status=Released, Supplier 1=Digi-Key
U9: library part IIS2MDCTR, "SENSOR MR I2C/SPI 12LGA", Package=12-LGA, Supplier Part Number 1=497-17728-1-ND, ComponentLink1URL=https://www.st.com/content/ccc/resource/technical/document/datasheet/1e/3f/2a/d6/25/eb/48/46/DM00103319.pdf/files/DM00103319.pdf/jcr:content/translations/en.DM00103319.pdf, MFG=STMicroelectronics, MFG P/N=IIS2MDCTR, Status=Released, Supplier 1=Digi-Key
U10 U14 U17: library part MICROCHIP_MCP6064, "Microchip MCP6064-E/ST; Quad Op Amp; 0.73MHz CMOS; Rail to Rail; 3V; 5V; 14-Pin TSSOP", Supplier Part Number 1=MCP6064-E/ST-ND, ComponentLink1URL=http://www.microchip.com/mymicrochip/filehandler.aspx?ddocname=en528763, MFG="Microchip Technology", MFG P/N=MCP6064-E/ST, Supplier 1=Digi-Key
U11: library part 820, "IC, MOTOR DRIVER, DRV8353, MULTIPHASE, BLDC, HALF BRIDGE, POWER MOSFET, 6V TO 95V VIN, VQFN-48", Package="48-VQFN (7x7)", Supplier Part Number 1=296-50273-1-ND, ComponentLink1URL=https://www.ti.com/lit/ds/symlink/drv8350.pdf?HQS=TI-null-null-digikeymode-df-pf-null-wwe&ts=1593096373926, MFG="Texas Instruments", MFG P/N=DRV8353RSRGZT, Status=Released, Supplier 1=Digi-Key
U12 U13 U16 U20: library part INA240A1, "Current Sense Amplifiers -4 to 80V, bidirectional, ultra-precise current sense amplifier with enhanced PWM rejection, 20V/V gain", Supplier Part Number 1=296-51172-1-ND, ComponentLink1URL=https://www.digikey.com/en/products/detail/texas-instruments/INA240A1DR/8538109, MFG="Texas Instruments", MFG P/N=INA240A1DR, Supplier 1=Digi-Key
U15: library part CMP-0394-01493-2, "IC REG LINEAR 3.3V 250MA 6WSON", Supplier Part Number 1=296-27803-1-ND, ComponentLink1URL=http://www.ti.com/, MFG="Texas Instruments", MFG P/N=TPS72733DSET, Supplier 1=Digi-Key
U18: "Conv DC-DC Single Step Down 3.5V to 28V 8-Pin SOIC T/R", Supplier Part Number 1=296-50099-1-ND, ComponentLink1URL=https://datasheet.ciiva.com/2034/tps54331-2034843.pdf?src-supplier=Digi-Key, MFG="Texas Instruments", MFG P/N=TPS54331GDR, Supplier 1=Digi-Key
U19: "14-BIT, DIGITAL, CONTACTLESS ANG", Supplier Part Number 1=1589-MA732GQ-ZCT-ND, ComponentLink1URL=https://www.digikey.com/en/products/detail/monolithic-power-systems-inc/MA732GQ-Z/15196210, MFG="Monolithic Power Systems Inc.", MFG P/N=MA732GQ-Z, Supplier 1=Digi-Key
X1: library part 137, "OSC, MEMS, XO, 100MHZ, +/-25PPM STAB, LVCMOS, 3.3V, SMD-4, AUTOGRADE", Package="4-SMD, No Lead", Supplier Part Number 1=1473-SIT8924BM-72-33N-100.000000E-ND, ComponentLink1URL=https://source.z2data.com/2019/9/26/1/9/50/497/69995916/SiT8924.pdf, MFG=SiTIME, MFG P/N=SIT8924BM-72-33N-100.000000E, Status=Released, Supplier 1=Digi-Key

## Via types
v1: diameter 16, hole 8, Top Layer to Bottom Layer, tented both sides, 470 vias
v2: diameter 20, hole 10, Top Layer to Bottom Layer, tented both sides, 272 vias
v3: diameter 12, hole 6, Top Layer to Bottom Layer, tented both sides, 199 vias
v4: diameter 28, hole 15, Top Layer to Bottom Layer, tented both sides, 159 vias
v5: diameter 24, hole 12, Top Layer to Bottom Layer, tented both sides, 6 vias

## Nets (pads, with @x,y where several pads share a name; then routed paths per layer and width w, separated by ;. In a path a pad name is that pad's centre, name@x,y a point inside that pad or via, vN(x,y) a via of type N, cw(c..) or ccw(c..) an arc to the next point about the centre after c; other vN are vias at no path point)
1V8_ECAT: C70.2 C72.2 C74.2 C76.2 U5.F6 U5.F7 U5.G6 U5.G7 U5.G11 | length 167.5
  Top Layer w12: v3(-742.4,779.29) U5.G11@-727.63,764.53 ; v3(-624.29,749.76) U5.F7@-609.52,735 ; v3(-624.29,779.29) U5.G7@-609.52,764.53 ; U5.F6@-580,735 v3(-565.24,720.23) ; U5.G6@-580,764.53 v3(-565.24,779.29)
  Bottom Layer w9.24: C76.2@-639.06,730.86 -639.06,734.99 v3(-624.29,749.76)
  Bottom Layer w10: v3(-565.24,720.23) -565.24,733.41 C74.2@-561.1,737.55 ; v3(-565.24,779.29) -565.24,766.12 C72.2@-561.1,761.99